# Altium PCB Thermostat_EEM.PCBDOC (part 1 of 10)
Units mm, origin at the board's own origin, x right, y up, seen from the top; angles counter-clockwise.
Board outline 162.48 x 100 mm, 4 copper layers (TOP, G1, L2, BOT), stack 1.55 mm thick; 903 components, 476 nets, 2667 pads, 1400 vias.
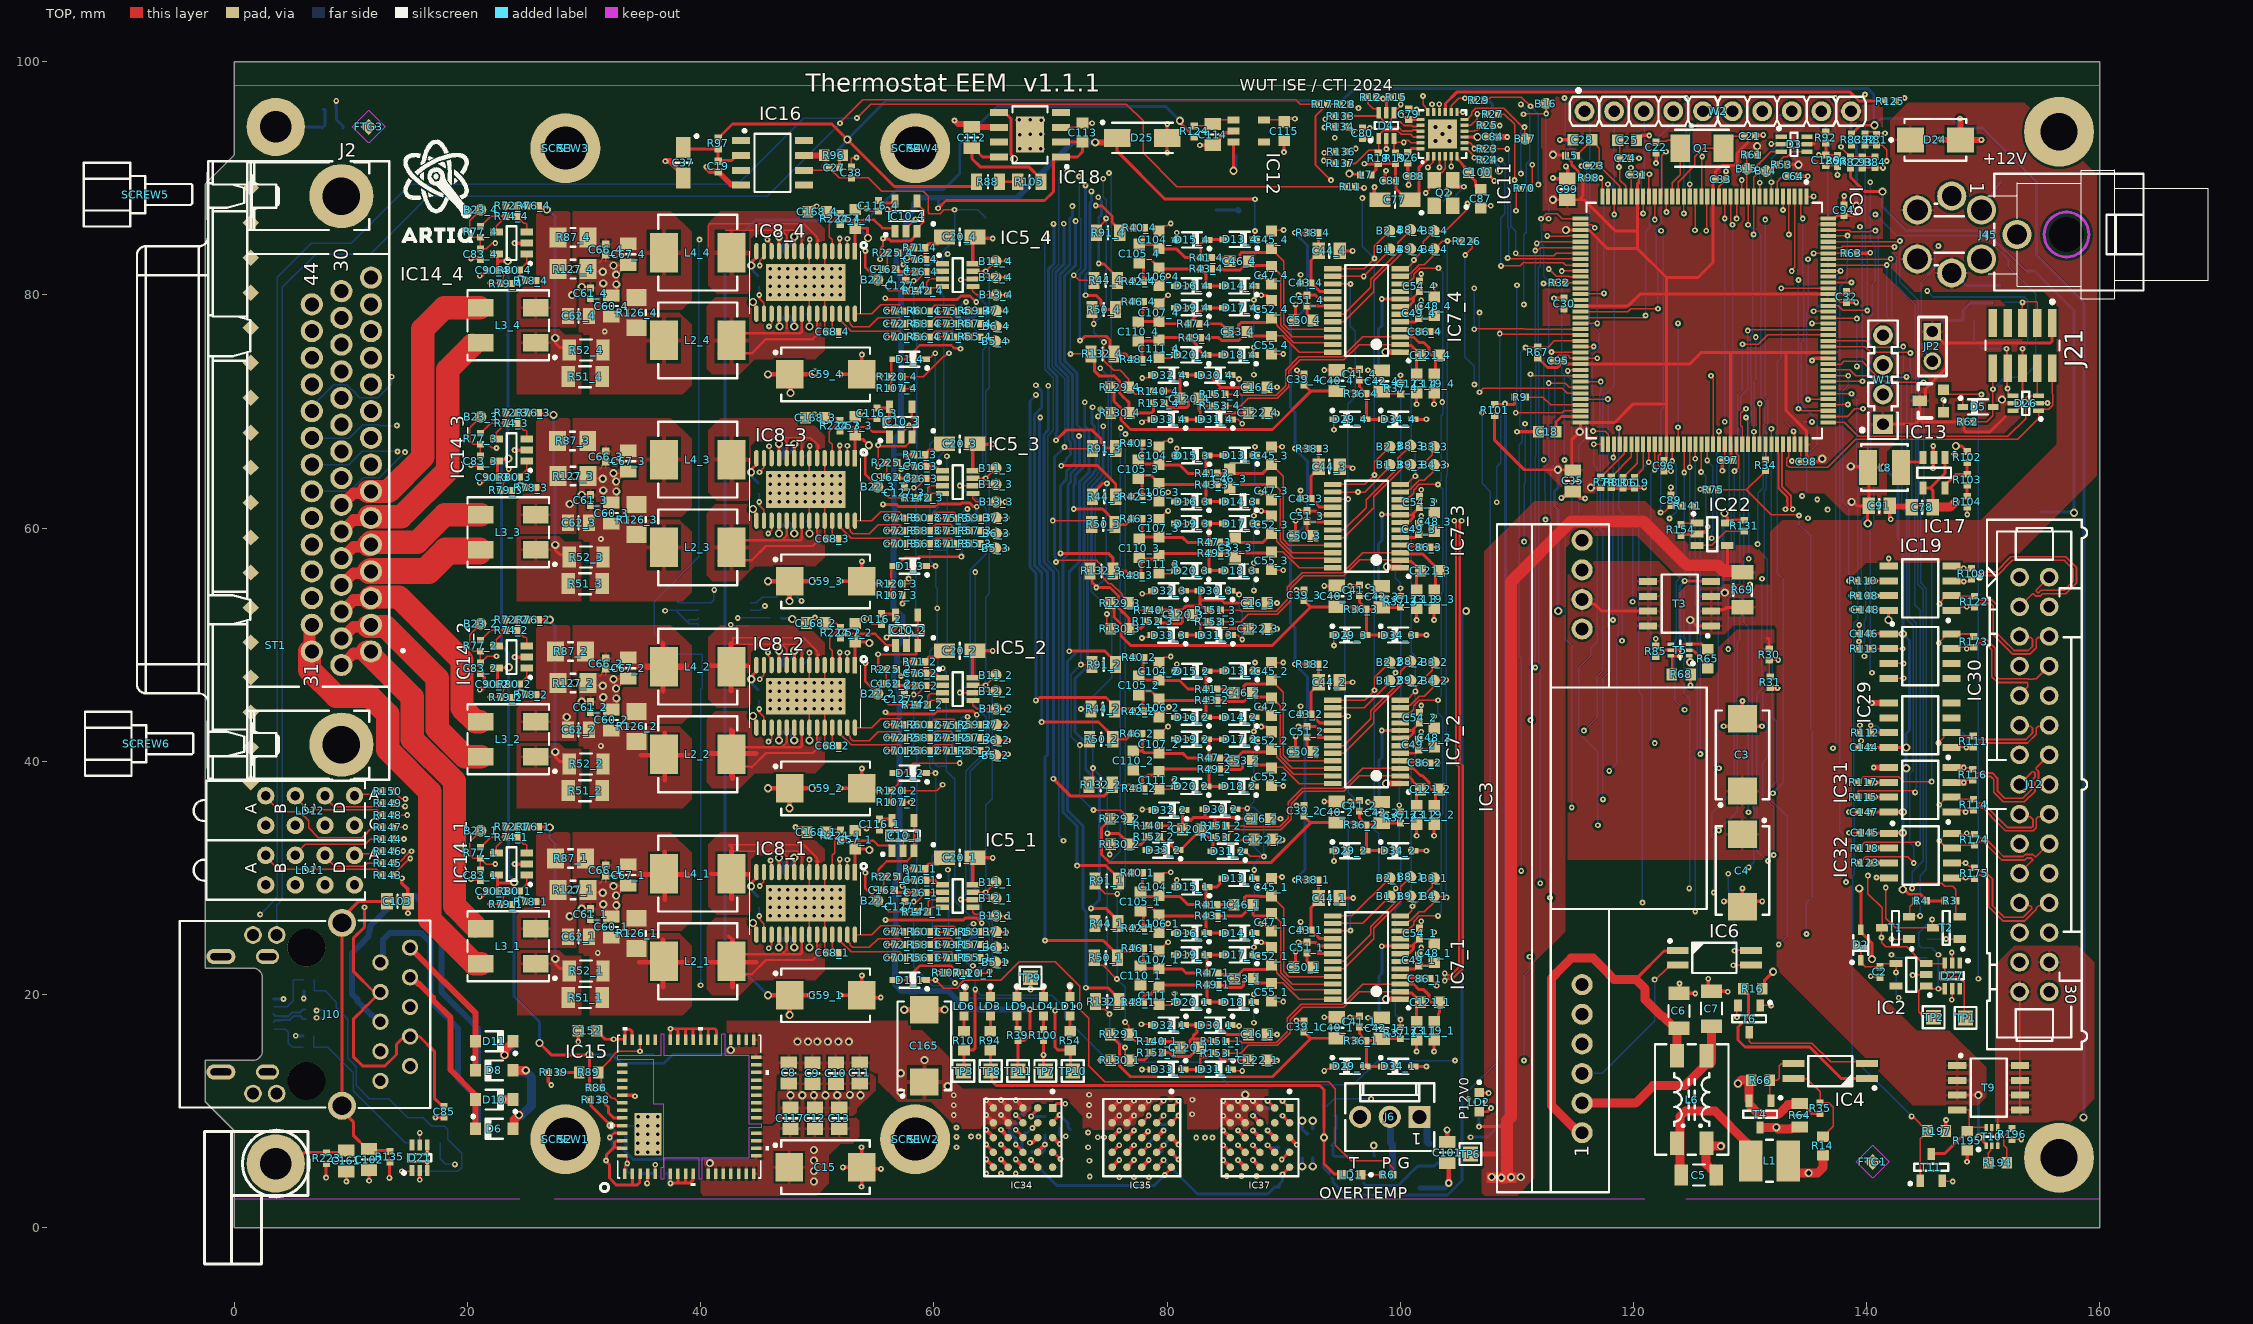
[diagram p0: TOP view]
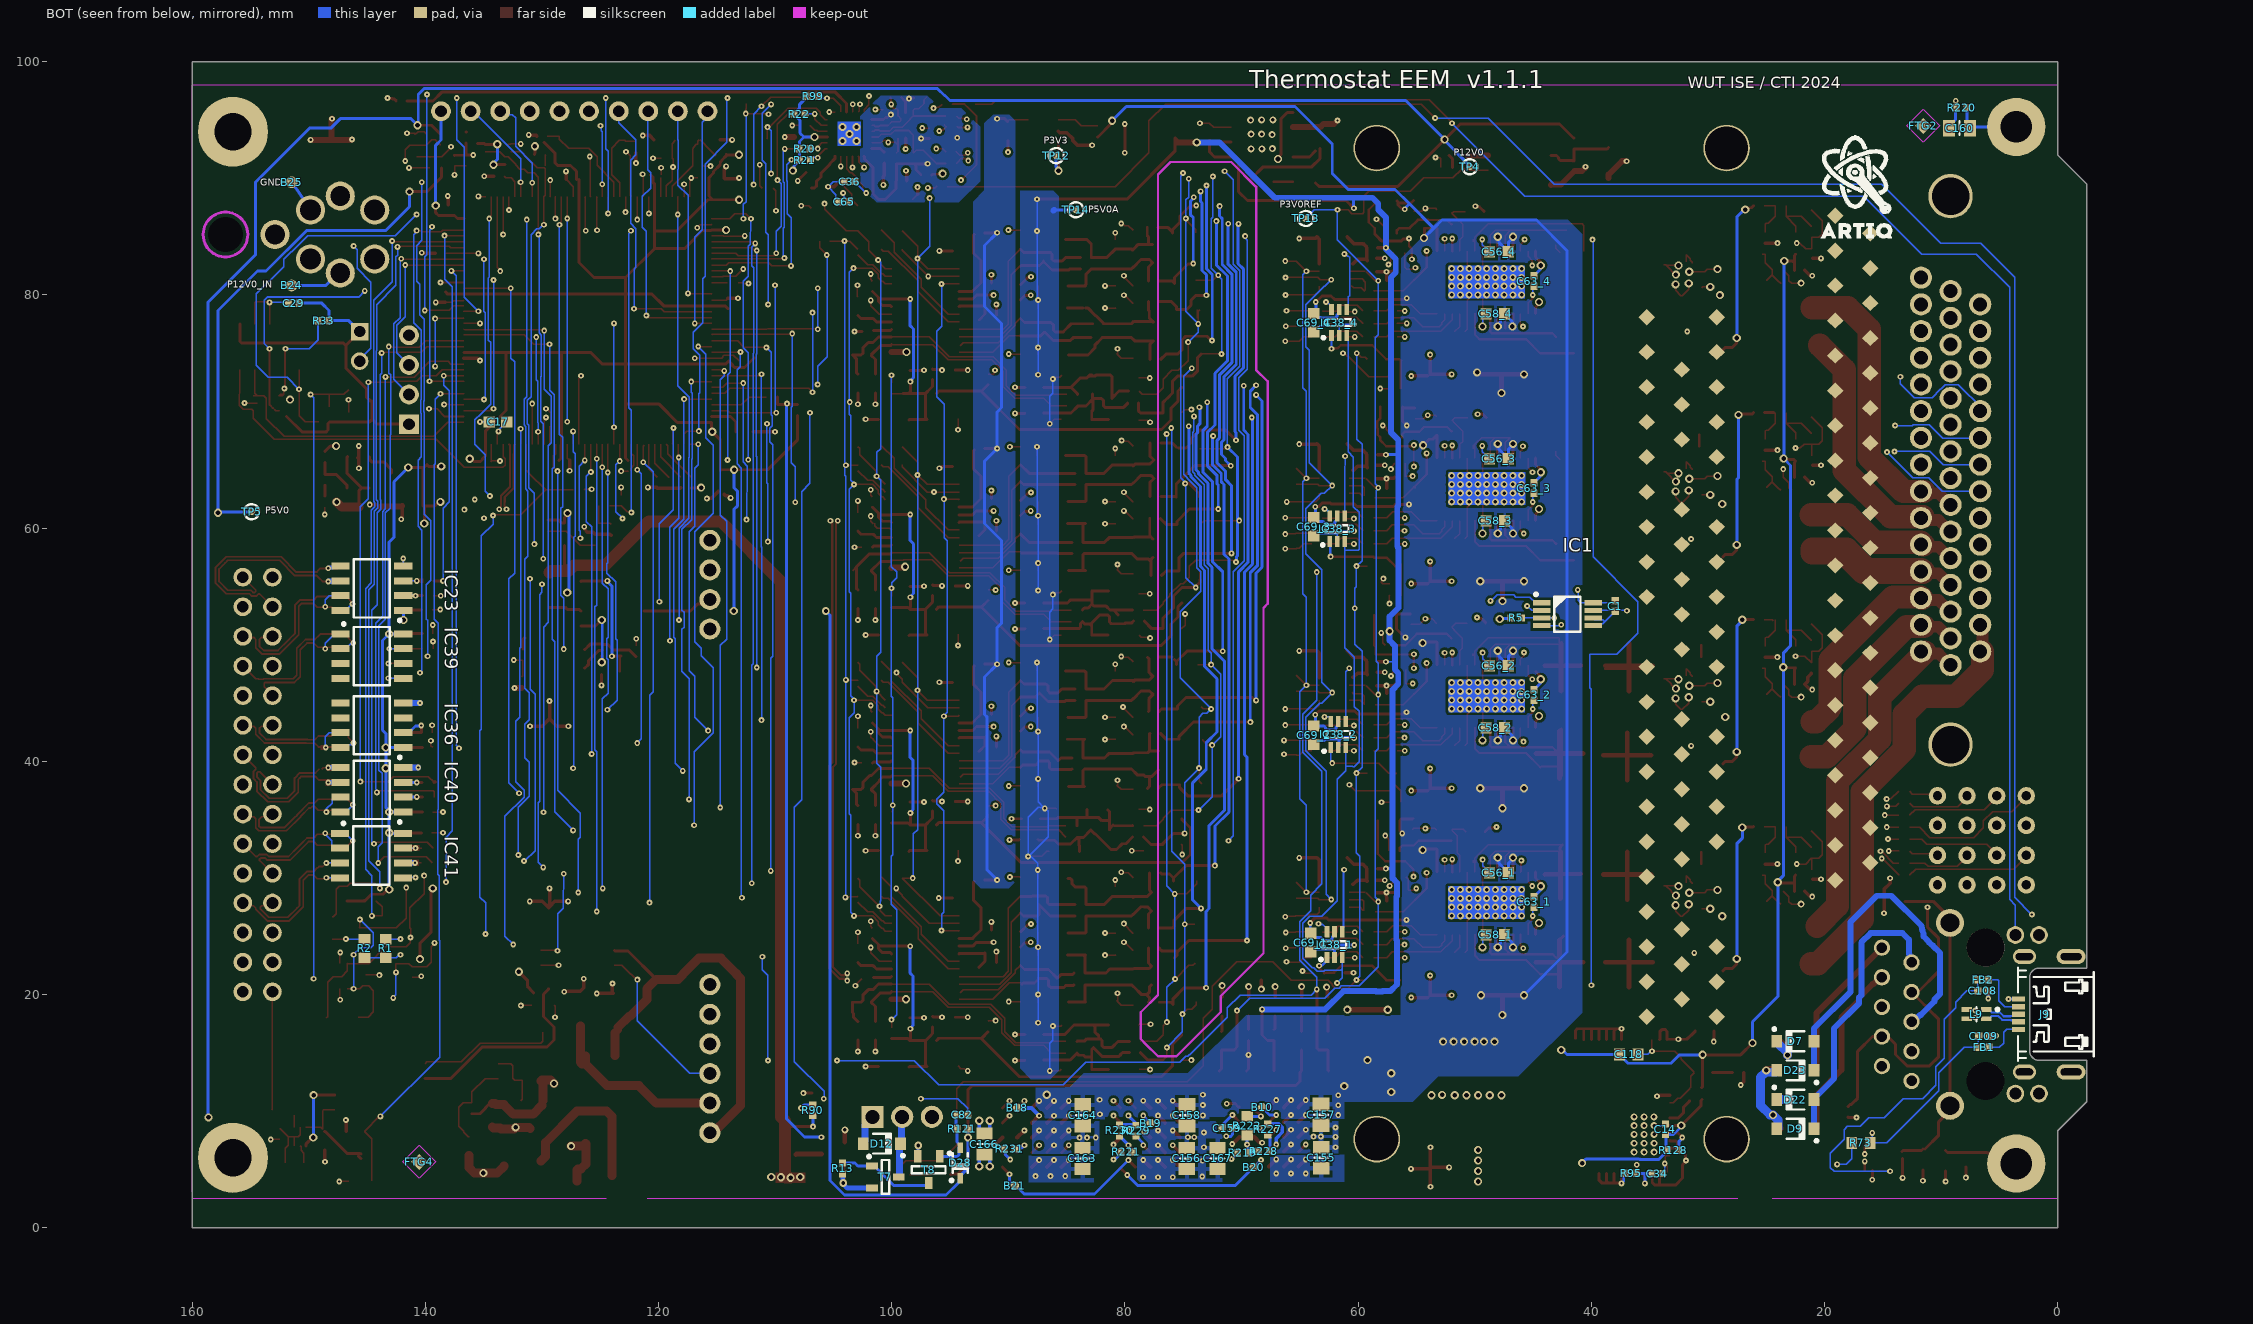
[diagram p1: BOT view, seen from below]
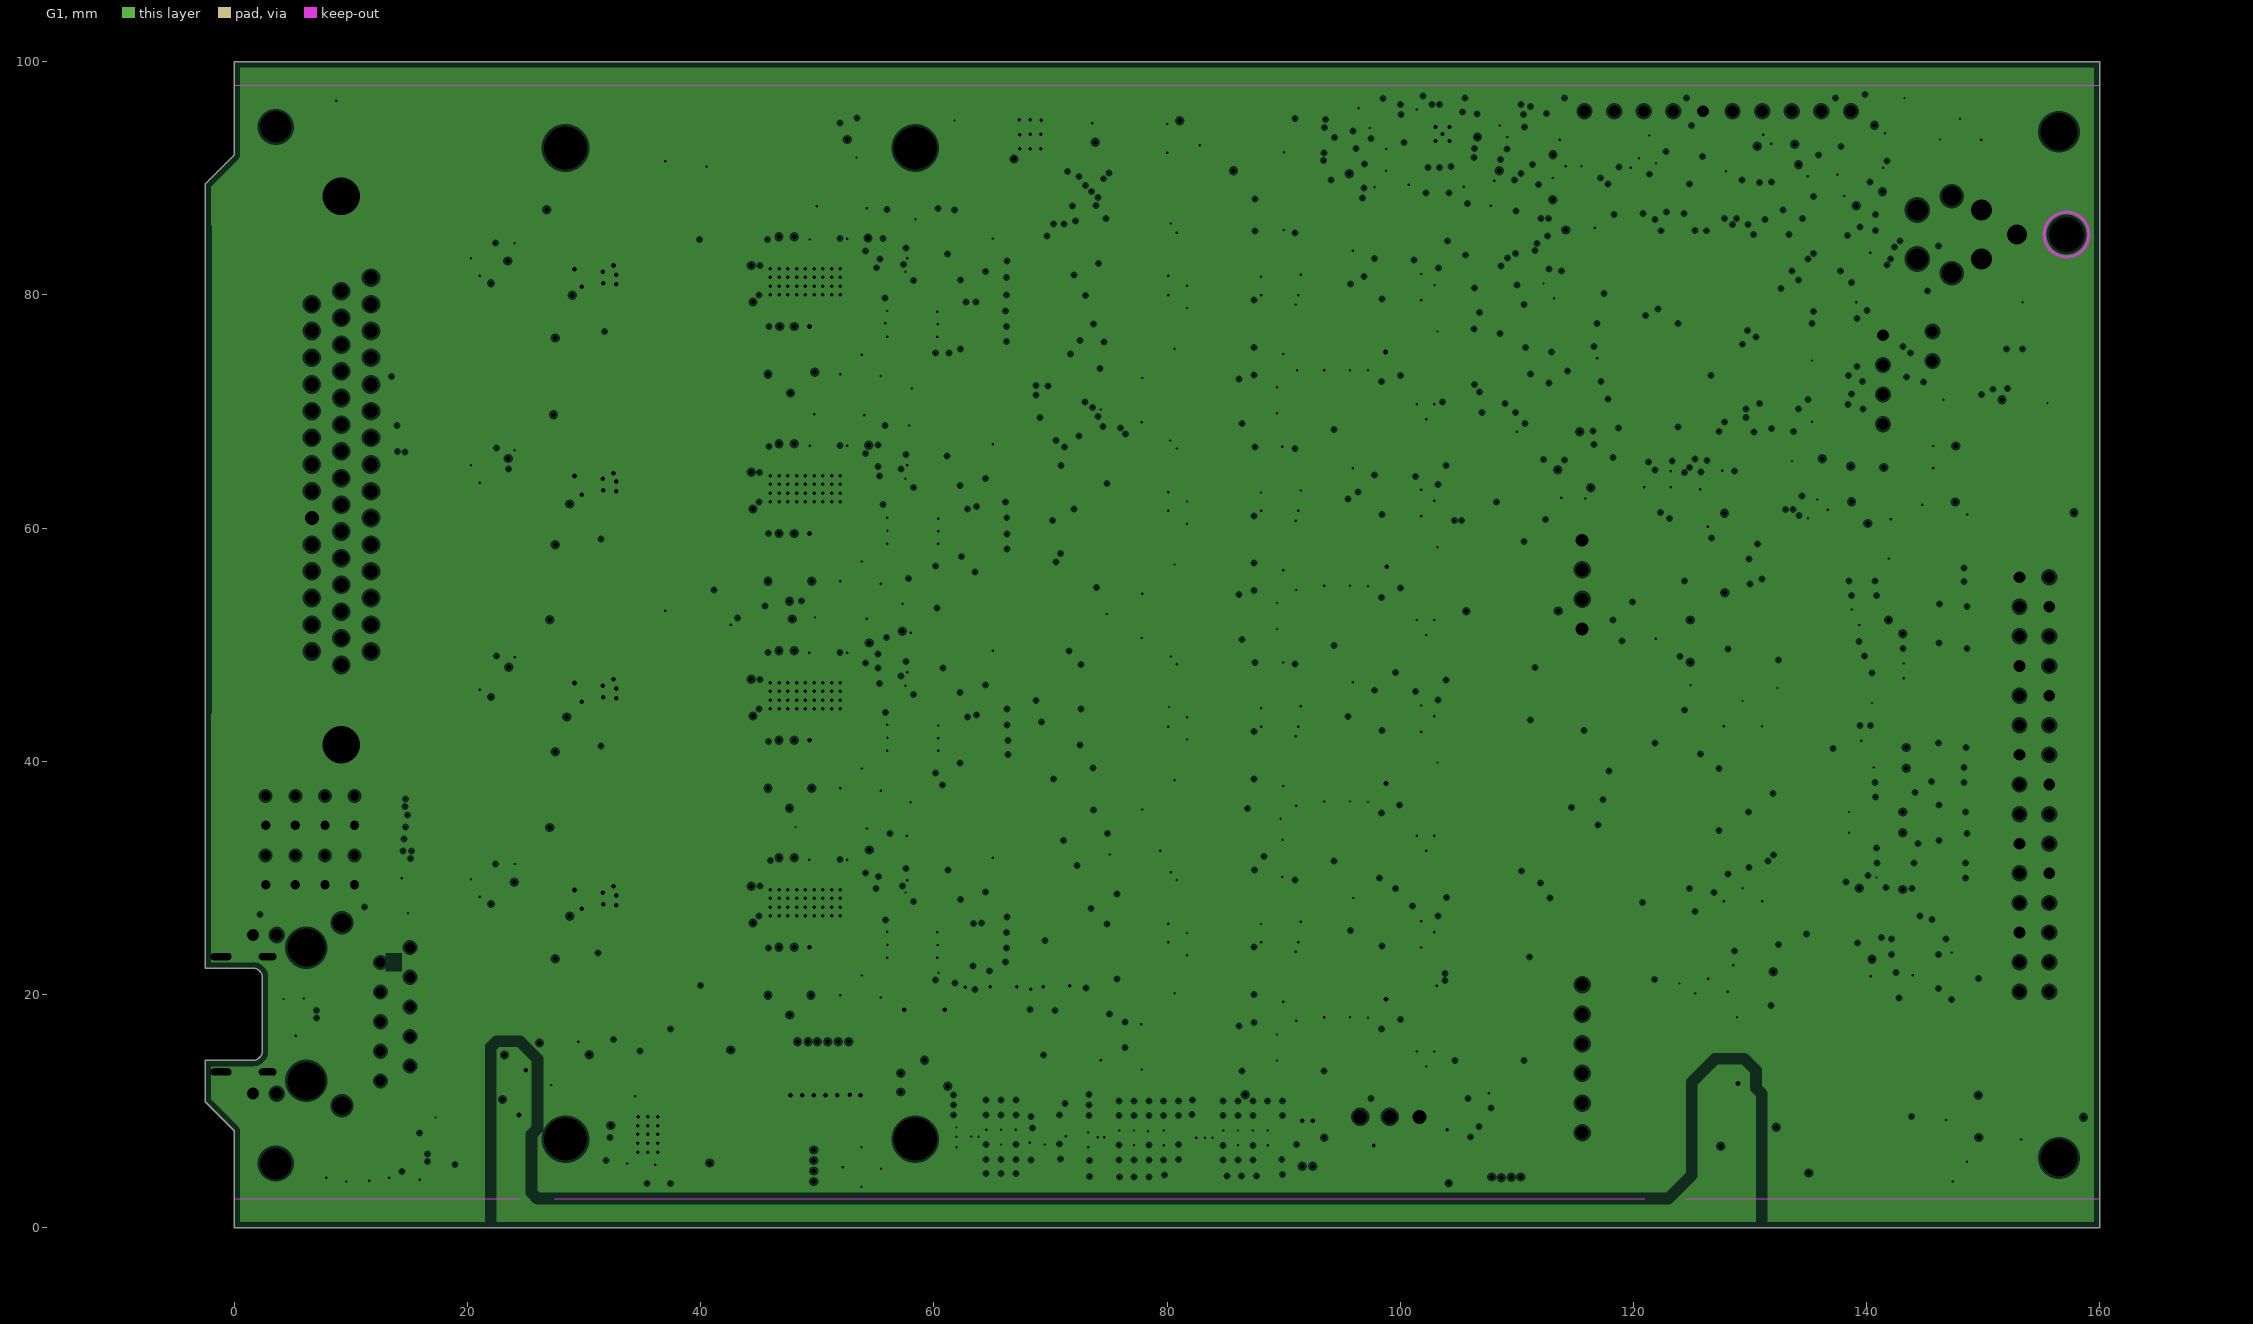
[diagram p2: G1, clearances drawn from the general rule]
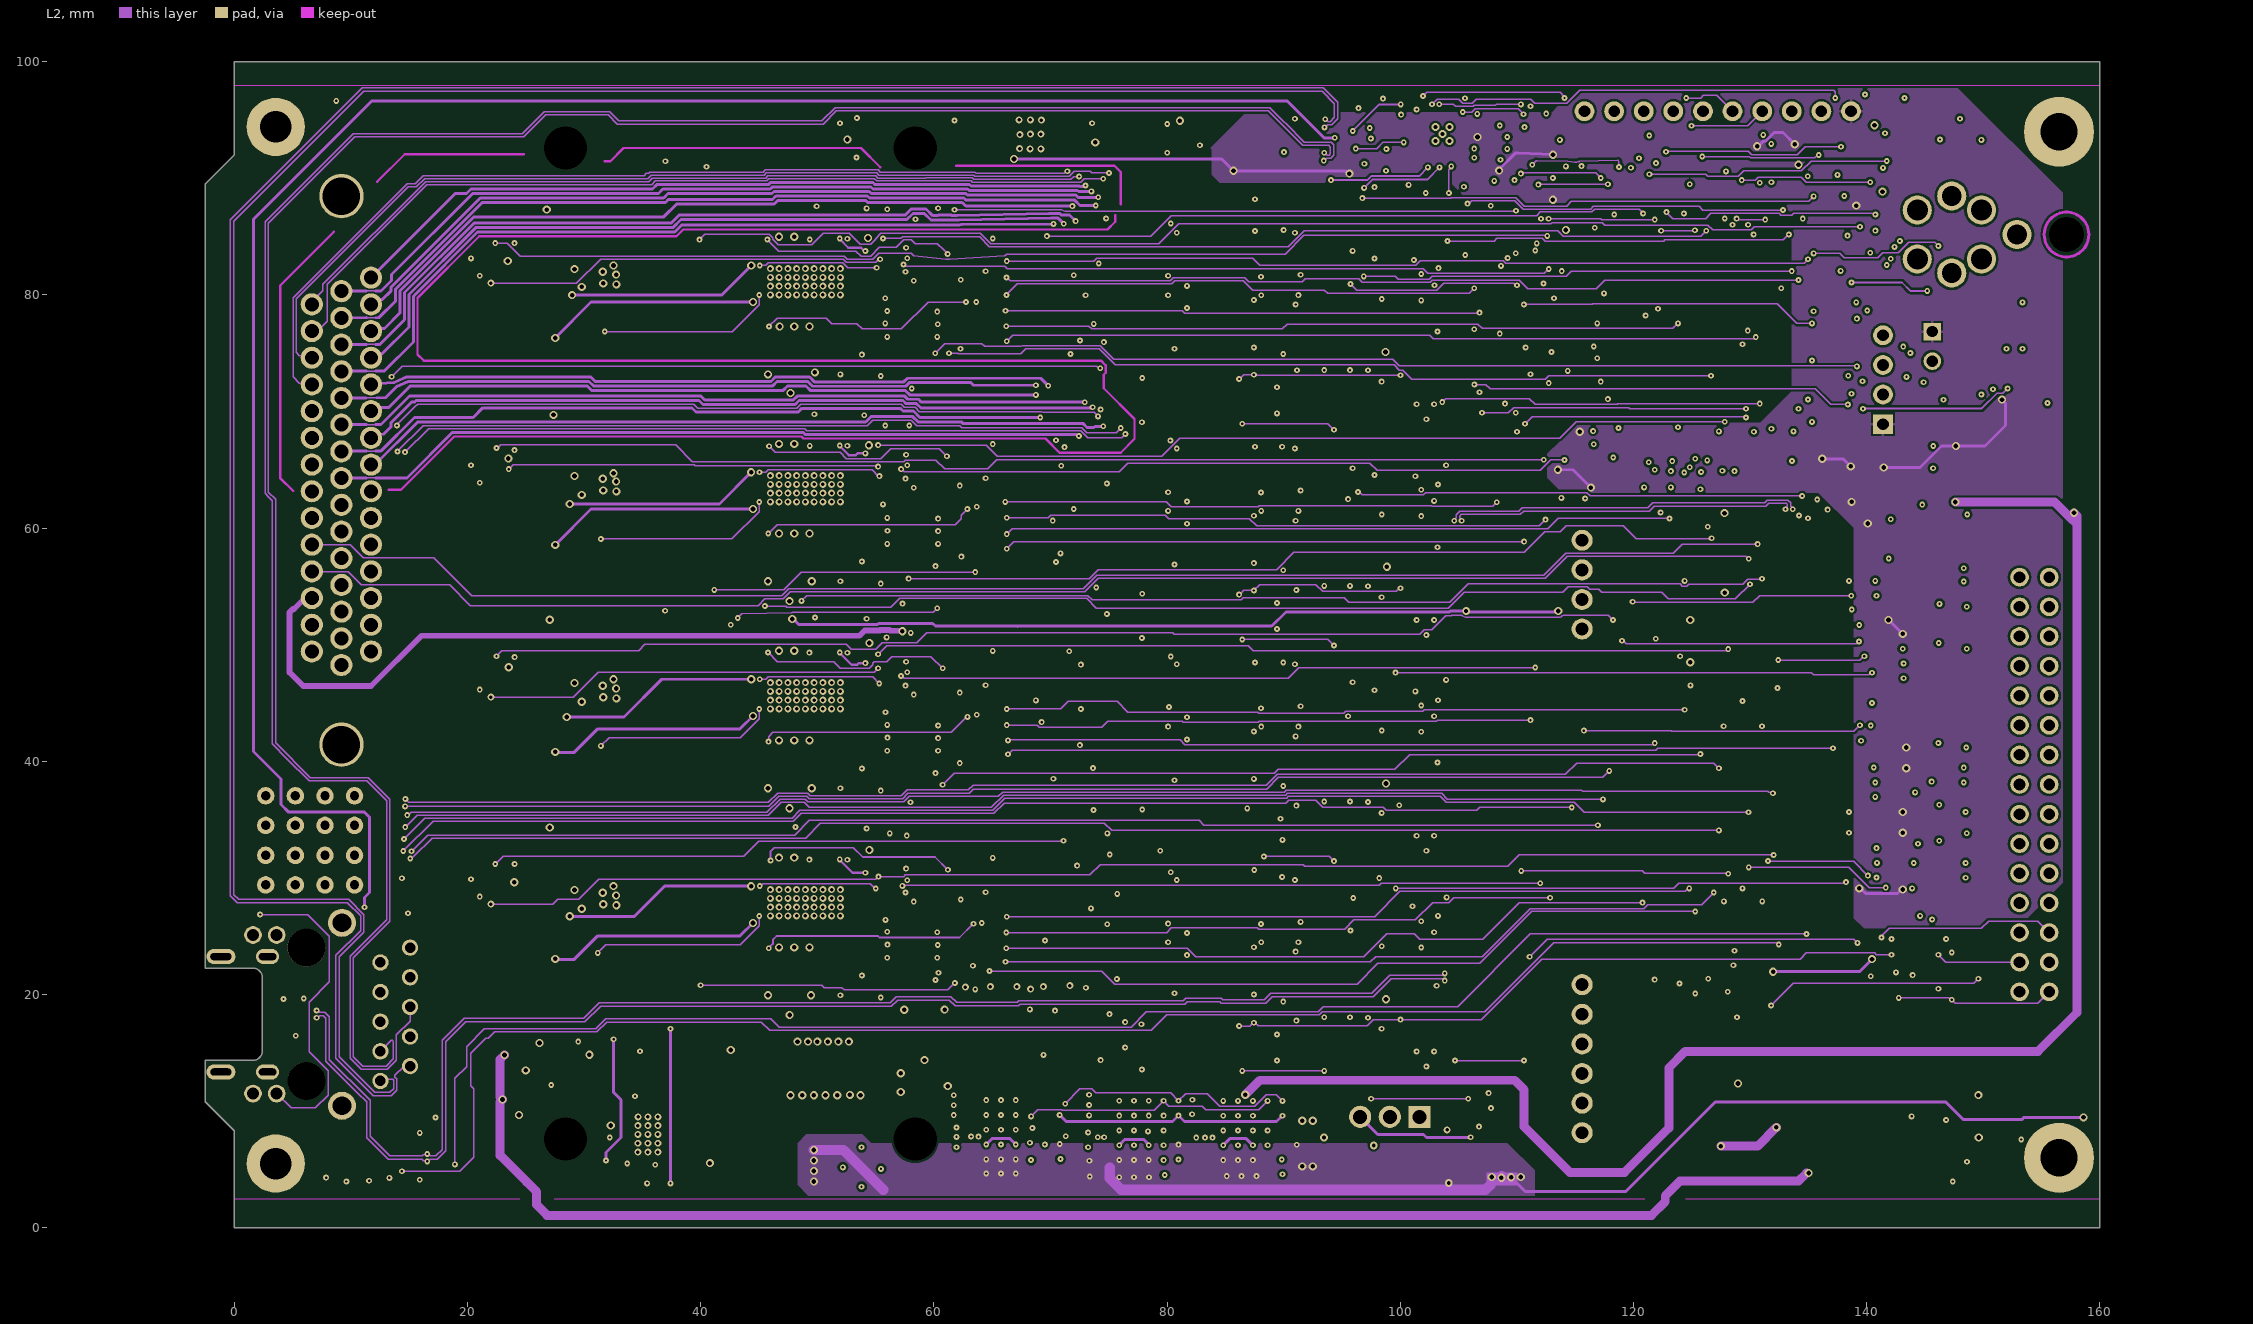
[diagram p3: L2]

## Layer stack, top to bottom
TopSolder: solder mask 0.01, Solder Resist, Dk 3.5
TOP: signal copper 0.035
Dielectric1: prepreg 0.18, FR-4, Dk 4.8
G1: plane copper 0.035, net (Multiple Nets)
Dielectric2: core 1.05, Core-042, Dk 4.6
L2: signal copper 0.035
Dielectric3: prepreg 0.18, FR-4, Dk 4.8
BOT: signal copper 0.035
BottomSolder: solder mask 0.01, Solder Resist, Dk 3.5

## Board outline
-2.489,10.809 -2.489,14.362 1.606,14.362 ccw(c1.606,15.162) 2.406,15.162 2.406,21.462 ccw(c1.606,21.462) 1.606,22.262 -2.489,22.262 -2.489,89.511 -1,91 0,92 0,100 159.995,100 159.995,0 0,0 0,8.32

## Design rules (kind name [scope] priority, off if disabled: settings)
AcuteAngle [All] p1: minimum=6.00000000000000E+0001 checktracksonly=FALSE
Clearance Clearance_HV [InNetClass('HV') vs not InNetClass('HV')] p1: gap=1 ignorepadtopadclearanceinfootprint=FALSE
Clearance Clearance_balancing [InNamedPolygon('balancing')] p2: gap=1.27 ignorepadtopadclearanceinfootprint=FALSE except(0.635: Via-Via Via-Fill Via-Poly Via-Region Via-Text Via-Hole)
Clearance Clearance_DIFF [(InDifferentialPairClass('All Differential Pairs')and IsTrack ) vs (InDifferentialPairClass('All Differential Pairs') and IsTrack  )] p3 off: gap=0.508 ignorepadtopadclearanceinfootprint=FALSE except(0: Arc-Hole Track-Hole SMDPad-Hole THPad-Hole Via-Hole Fill-Hole Poly-Hole Region-Hole Text-Hole; 0.127: SMDPad-SMDPad SMDPad-THPad SMDPad-Via SMDPad-Fill SMDPad-Poly SMDPad-Region SMDPad-Text THPad-THPad THPad-Via THPad-Fill THPad-Poly THPad-Region THPad-Text Via-Via Via-Fill Via-Poly Via-Region Via-Text)
Clearance [All] p4: gap=0.127 ignorepadtopadclearanceinfootprint=FALSE except(0: Arc-Hole Track-Hole SMDPad-Hole THPad-Hole Via-Hole Fill-Hole Poly-Hole Region-Hole Text-Hole; 0.203: Arc-Poly Track-Poly SMDPad-Poly THPad-Poly Via-Poly Fill-Poly Poly-Poly)
ComponentClearance [All] p1: gap=0 collisioncheckmode=3 verticalgap=0 showdistances=FALSE
DiffPairsRouting DiffPairsRouting_USB [InDifferentialPair('USB') or InDifferentialPair('USBJ')] p1: maxlimit=0.17 minlimit=0.127 mostfreqgap=0.17 toplayer_maxgap=0.127 toplayer_prefgap=0.127 toplayer_minwidth=0.18 toplayer_maxwidth=0.18 toplayer_prefwidth=0.18 midlayer1_mingap=0.17 midlayer1_minwidth=0.127 midlayer1_maxwidth=0.127 midlayer1_prefwidth=0.127 bottomlayer_maxgap=0.127 bottomlayer_prefgap=0.127 bottomlayer_minwidth=0.18 bottomlayer_maxwidth=0.18 bottomlayer_prefwidth=0.18 impedanceprofiledriven=TRUE impedanceprofileid={193BB230-D70D-4954-B79E-C9F8E6D8BC28} impedanceprofilevalue=90.000000 maxuncoupledlength=12.7
DiffPairsRouting [All] p2: maxlimit=0.152 minlimit=0.127 mostfreqgap=0.152 toplayer_minwidth=0.127 toplayer_maxwidth=0.17 toplayer_prefwidth=0.152 midlayer1_minwidth=0.127 midlayer1_maxwidth=0.152 midlayer1_prefwidth=0.152 bottomlayer_minwidth=0.127 bottomlayer_maxwidth=0.17 bottomlayer_prefwidth=0.152 maxuncoupledlength=12.7
FabricationTestPointUsage TestPointUsage [All] p1: valid=0 allowmultiple=FALSE
FabricationTestpoint Testpoint [All] p1: side=3 testpointundercomponent=TRUE minsize=1.016 maxsize=2.54 preferedsize=1.524 minholesize=0.508 maxholesize=1.016 preferedholesize=0.813 testpointgrid=0.025 allowsidetop=TRUE allowsidebottom=TRUE usegrid=TRUE gridtolerance=0
Height [All] p1: minheight=0 maxheight=40 prefheight=40
HoleSize [All] p1: absolutevalues=TRUE maxlimit=3.81 minlimit=0.025 maxpercent=80.000 minpercent=20.000
HoleToHoleClearance [All] p1: gap=0.025 allowstackedmicrovias=TRUE
MatchedLengths "Schematic Matched Net Lengths_3" [InNet('PHY_TD_P')] p1: tolerance=2.54 checknetsindiffpair=TRUE checkdiffpairvsdiffpair=FALSE checkxsignals=FALSE checkothers=FALSE
MatchedLengths "Schematic Matched Net Lengths_2" [InNet('PHY_RD_P')] p2: tolerance=2.54 checknetsindiffpair=TRUE checkdiffpairvsdiffpair=FALSE checkxsignals=FALSE checkothers=FALSE
MatchedLengths "Schematic Matched Net Lengths_1" [InNet('PHY_TD_N')] p3: tolerance=2.54 checknetsindiffpair=TRUE checkdiffpairvsdiffpair=FALSE checkxsignals=FALSE checkothers=FALSE
MatchedLengths "Schematic Matched Net Lengths" [InNet('PHY_RD_N')] p4: tolerance=2.54 checknetsindiffpair=TRUE checkdiffpairvsdiffpair=FALSE checkxsignals=FALSE checkothers=FALSE
MinimumSolderMaskSliver [All] p1: minsoldermaskwidth=0
PlaneClearance PlaneClearance_HV [InNetClass('HV')] p1: clearance=1
PlaneClearance [All] p2: clearance=0.2
PlaneConnect [All] p1: pad.planeconnectstyle=Relief pad.reliefexpansion=0.254 pad.reliefentries=4 pad.reliefconductorwidth=0.254 pad.reliefairgap=0.152 via.planeconnectstyle=Direct via.reliefexpansion=0.508 via.reliefentries=4 via.reliefconductorwidth=0.254 via.reliefairgap=0.254
PolygonConnect PolygonConnect_Power [InComponent('C155') or InComponent('C156') or  InComponent('C157') or  InComponent('C158') or InComponent('C163') or InComponent('C164')  or InComponent('C165')or InComponent('C167') or InComponent('L2_1')  or InComponent('L2_2') or InComponent('L2_3') or InComponent('L2_4')    or InComponent('L4_1')  or InComponent('L4_2') or InComponent('L4_3') or InComponent('L4_4')] p1: connectstyle=Relief reliefconductorwidth=0.4 reliefentries=4 polygonreliefangle="90 Angle" airgapwidth=0.254
PolygonConnect PolygonConnect_BGA [HasFootprint('LGA25C127P5X5_625X625X192')] p2: connectstyle=Direct reliefconductorwidth=0.254 reliefentries=4 polygonreliefangle="90 Angle" airgapwidth=0.254
PolygonConnect PolygonConnect_pad [All] p3: thpad.connectstyle=Relief thpad.reliefconductorwidth=0.254 thpad.reliefentries=4 thpad.polygonreliefangle="90 Angle" thpad.airgapwidth=0.152 smdpad.connectstyle=Relief smdpad.reliefconductorwidth=0.254 smdpad.reliefentries=4 smdpad.polygonreliefangle="90 Angle" smdpad.airgapwidth=0.152 via.connectstyle=Direct via.reliefconductorwidth=0.254 via.reliefentries=4 via.polygonreliefangle="90 Angle" via.airgapwidth=0.152
RoomDefinition Thermostat_EEM [InComponentClass('Thermostat_EEM')] p1: confinementstyle=ConfineIn formatcopy=TRUE lockcomponents=FALSE outline -101.6,-152.4 -50.8,-152.4 -50.8,-127 -101.6,-127
RoomDefinition U_AFE1 [InComponentClass('U_AFE1')] p2: confinementstyle=ConfineIn formatcopy=TRUE lockcomponents=FALSE outline 68.75,31 107.5,31 107.5,49.5 68.75,49.5
RoomDefinition EEM_connector [InComponentClass('EEM_connector')] p3: confinementstyle=ConfineIn formatcopy=TRUE lockcomponents=FALSE outline 135.769,61.754 160.375,61.754 160.375,0.15 135.769,0.15
RoomDefinition U_AFE0 [InComponentClass('U_AFE0')] p4: confinementstyle=ConfineIn formatcopy=TRUE lockcomponents=FALSE outline 68.75,12.5 107.5,12.5 107.5,31 68.75,31
RoomDefinition U_Thermostat_Supply [InComponentClass('U_Thermostat_Supply')] p5: confinementstyle=ConfineIn formatcopy=TRUE lockcomponents=FALSE outline 28.475,-3.25 32.475,-3.25 32.475,3.504 28.475,3.504
RoomDefinition U_TEC_driver3 [InComponentClass('U_TEC_driver3')] p6: confinementstyle=ConfineIn formatcopy=TRUE lockcomponents=FALSE outline 66.5,88.25 20,88.25 20,70.5 66.5,70.5
RoomDefinition U_TEC_driver0 [InComponentClass('U_TEC_driver0')] p7: confinementstyle=ConfineIn formatcopy=TRUE lockcomponents=FALSE outline 66.5,35 20,35 20,17.25 66.5,17.25
RoomDefinition U_AFE3 [InComponentClass('U_AFE3')] p8: confinementstyle=ConfineIn formatcopy=TRUE lockcomponents=FALSE outline 68.75,68 107.5,68 107.5,86.5 68.75,86.5
RoomDefinition U_AFE2 [InComponentClass('U_AFE2')] p9: confinementstyle=ConfineIn formatcopy=TRUE lockcomponents=FALSE outline 68.75,49.5 107.5,49.5 107.5,68 68.75,68
RoomDefinition U_STM32_F4CPU [InComponentClass('U_STM32_F4CPU')] p10: confinementstyle=ConfineIn formatcopy=TRUE lockcomponents=FALSE outline 54.675,98.125 61,98.125 54.675,98.125
RoomDefinition RMII_Ethernet [InComponentClass('RMII_Ethernet')] p11: confinementstyle=ConfineIn formatcopy=TRUE lockcomponents=FALSE outline -17.675,1.35 -5.975,1.35 -5.975,23.05 -17.675,23.05
RoomDefinition USB [InComponentClass('USB')] p12: confinementstyle=ConfineIn formatcopy=TRUE lockcomponents=FALSE outline -9.95,15.725 -0.75,15.725 -0.75,2.975 -9.95,2.975
RoomDefinition U_TEC_driver2 [InComponentClass('U_TEC_driver2')] p13: confinementstyle=ConfineIn formatcopy=TRUE lockcomponents=FALSE outline 66.5,70.5 20,70.5 20,52.75 66.5,52.75
RoomDefinition U_TEC_driver1 [InComponentClass('U_TEC_driver1')] p14: confinementstyle=ConfineIn formatcopy=TRUE lockcomponents=FALSE outline 66.5,52.75 20,52.75 20,35 66.5,35
RoutingVias RoutingVias_HPOW [InNetClass('HPOW')] p1: holewidth=0.711 width=1.27 viastyle="Through Hole" minholewidth=0.711 minwidth=1.27 maxholewidth=0.711 maxwidth=1.27 useviatemplates=TRUE viatemplateguid#1={C4BC9E51-A50C-4827-9BB3-4603308538B4} viatemplateguid#2={B5D767B0-96F0-490E-9621-DF468C9DD5C8} viatemplateguid#3={CC3703E4-4F4D-4ECC-8BAE-5075FE03B580} viatemplatename#1=v50h20m0mx0 viatemplatename#2=v66h33m0mx0 viatemplatename#3=v70h40m0mx0
RoutingVias [All] p2: holewidth=0.2 width=0.5 viastyle="Through Hole" minholewidth=0.2 minwidth=0.5 maxholewidth=1 maxwidth=2 useviatemplates=TRUE viatemplateguid#1={C4BC9E51-A50C-4827-9BB3-4603308538B4} viatemplateguid#2={A86ABFB5-DEF7-4A39-8B53-0CFF0DEED7D0} viatemplateguid#3={09B06083-E995-414E-AB37-2F7DC4B9C6DF} viatemplateguid#4={C0EBE885-0A75-4383-AABD-E9C68A6ADC0C} viatemplateguid#5={B5D767B0-96F0-490E-9621-DF468C9DD5C8} viatemplateguid#6={CC3703E4-4F4D-4ECC-8BAE-5075FE03B580} viatemplatename#1=v50h20m0mx0 viatemplatename#2=v60h30 viatemplatename#3=v60h30m0mx0 viatemplatename#4=v60h30m0mx0(1) viatemplatename#5=v66h33m0mx0 viatemplatename#6=v70h40m0mx0
SilkToSilkClearance [All] p1: silktosilkclearance=0
SilkToSolderMaskClearance SilkscreenOverComponentPads [IsPad] p1: minsilkscreentomaskgap=0.01 clearancetoexposedcopper=TRUE
SolderMaskExpansion [All] p1: expansion=0.015 istentingtop=FALSE
UnRoutedNet [All] p1: checkbadconnections=TRUE
ViasUnderSMD ViasUnderSMD_QFN [HasFootprint('TSSOP28-EP')  or InComponent('IC11') or InComponent('IC18')  or InComponent('IC15') or InComponent('S1') or InComponent('S2') or InComponent('S3') or InComponent('S4')] p1: allowed=TRUE
ViasUnderSMD [All] p2: allowed=FALSE
Width "Schematic Width Constraint_15" [InNet('SENS1_4_P')] p1: maxlimit=0.381 minlimit=0.254 preferedwidth=0.254
Width "Schematic Width Constraint_14" [InNet('SENS1_4_N')] p2: maxlimit=0.381 minlimit=0.254 preferedwidth=0.254
Width "Schematic Width Constraint_13" [InNet('SENS0_4_N')] p3: maxlimit=0.381 minlimit=0.254 preferedwidth=0.254
Width "Schematic Width Constraint_12" [InNet('SENS1_1')] p4: maxlimit=0.381 minlimit=0.254 preferedwidth=0.254
Width "Schematic Width Constraint_11" [InNet('SENS0_3_P')] p5: maxlimit=0.381 minlimit=0.254 preferedwidth=0.254
Width "Schematic Width Constraint_10" [InNet('SENS1_2_N')] p6: maxlimit=0.381 minlimit=0.254 preferedwidth=0.254
Width "Schematic Width Constraint_9" [InNet('SENS0_2_N')] p7: maxlimit=0.381 minlimit=0.254 preferedwidth=0.254
Width "Schematic Width Constraint_8" [InNet('SENS1_3_N')] p8: maxlimit=0.381 minlimit=0.254 preferedwidth=0.254
Width "Schematic Width Constraint_7" [InNet('SENS0_2_P')] p9: maxlimit=0.381 minlimit=0.254 preferedwidth=0.254
Width "Schematic Width Constraint_6" [InNet('SENS0_1')] p10: maxlimit=0.381 minlimit=0.254 preferedwidth=0.254
Width "Schematic Width Constraint_5" [InNet('SENS1_2')] p11: maxlimit=0.381 minlimit=0.254 preferedwidth=0.254